# Altium PCB HYDRA_V2.2_NAV.PcbDoc (part 2 of 2)
Units mm, origin at the board's own origin, x right, y up, seen from the top; angles counter-clockwise.
Board outline 50 x 45 mm, 4 copper layers (Top Layer, PWR, GND, Bottom Layer), stack 0.603 mm thick; 118 components, 80 nets, 457 pads, 127 vias.
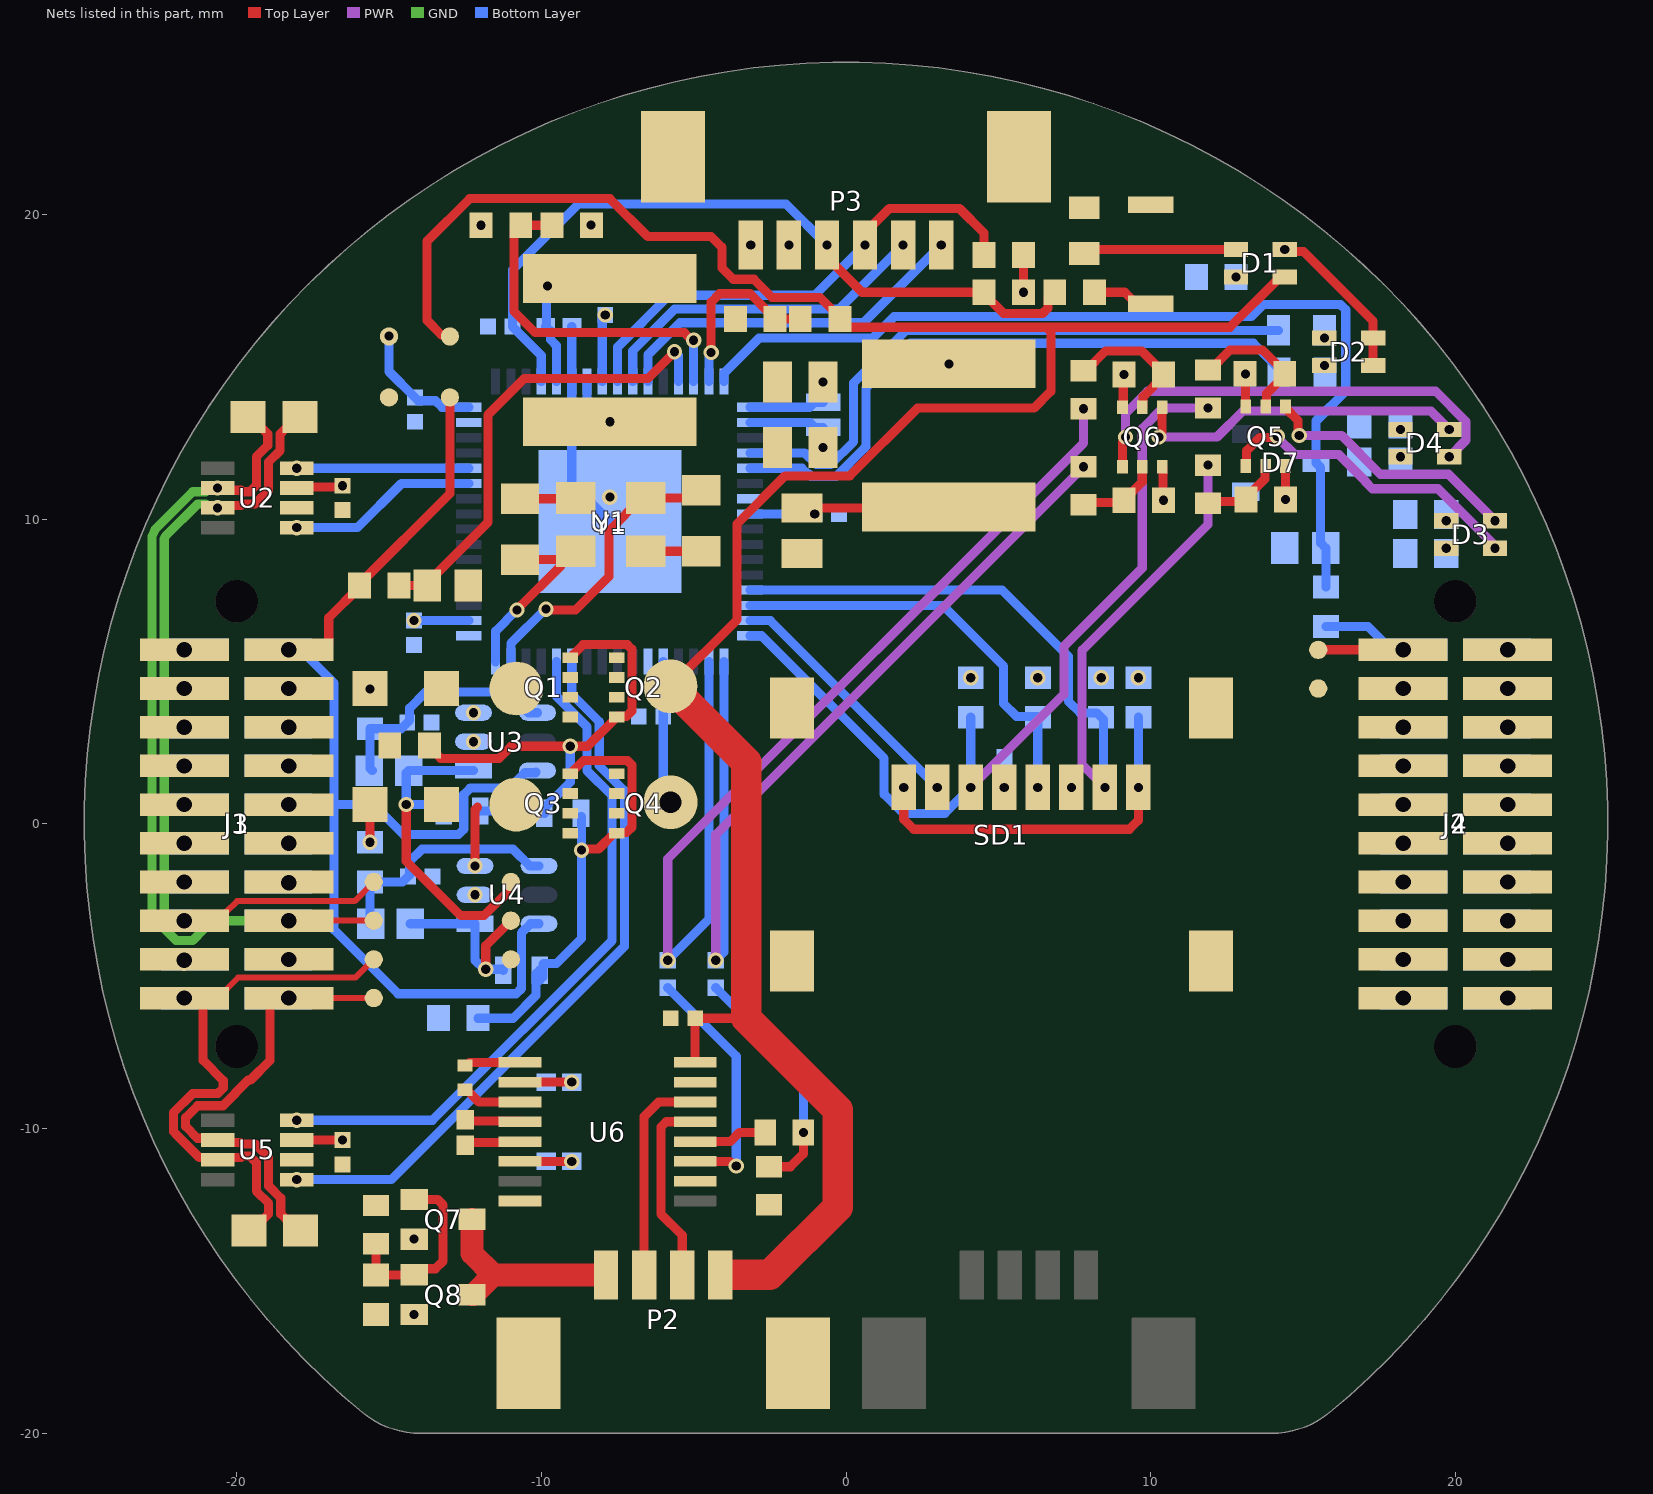
[diagram p4: the nets of this part, all layers, seen from the top]

## Part data (continued)
R27 R30 R33 R36 R38 R40: library part CMP-2000-00180-1, Manufacturer=Panasonic, Part Number=ERJ-3EKF1001V
R29 R31 R35 R37: library part CMP-2000-00572-1, Manufacturer=Panasonic, Part Number=ERJ3EKF56R0V
R39: library part CMP-2000-00294-1, Manufacturer=Panasonic, Part Number=ERJ3EKF1801V
R46 R47: library part CMP-009-00206-2, "READ THE NAME"
SD1: library part CMP-2000-05245-1, "MicroSD Card Connector, Hinge Type, -40 to 85 degC, 8-Pin SMD, RoHS, Tape and Reel", Current Rating=500mA, Manufacturer=Molex, Voltage Rating=100VDC, Brand=Molex, Card Type=microSD, Contact Material=CopperAlloy, Datasheet URL=http://www.molex.com/pdm_docs/sd/472192001_sd.pdf, Datasheet Version="Rev. F, 06/2009", Factory Pack Quantity=2400, Housing Material=Thermoplastic, Insertion - Extraction Style=Hinged, Manufacturer URL=http://www.molex.com/, Mounting Style=SMD/SMT, Number of Contacts=8, Packaging=Reel, Pitch=1.09mm, Product=CardConnectors, Product Category=MemoryCardConnectors, RoHS=Details, Series=47219, Termination Style=SMD
SW1: library part CMP-10040-000029-1, "SWITCH TACTILE SPST-NO 0.02A 15V", Current Rating=5A, Flammability Rating="UL94 V-0", Insulation Color=Black, Max Operating Temperature=85°C, Min Operating Temperature=-40°C, Operating Force=240gf, Actuator Type=Standard, Connector Type=USB, Contact Plating=Gold, Gender=Receptacle, Illumination Type=Non-Illuminated, Mechanical Life=500000Cycles, Mount="Surface Mount", Number of Contacts=24, Number of Ports=1, Packaging="Tape and Reel", Switch Function=Off-Mom, Switch Travel=0.13mm, Termination=Solder, Throw Configuration=SPST
TP1 TP2 TP3 TP4 TP5 TP6 TP7 TP8 TP9 TP10 TP12 TP13 TP14: library part CMP-00028-00002-2, "0.6mm round", Pins=1
U1: library part CMP-016-00010-6, "Rudimentary symbol and footprint for the SAM E51 microcontroller"
U2 U5: library part CMP-04872-000178-1, "IC TRANSCEIVER 1/1 SOT23-8", Case/Package=SOT-23-8, Max Operating Temperature=125°C, Min Operating Temperature=-40°C, Data Rate=1Mbps, Lead Free="Lead Free", Mount="Surface Mount", Packaging="Tape and Reel", RoHS Compliant=Yes
U3 U4: library part CMP-04896-000098-1, "40V, RAIL-TO-RAIL INPUT, PUSH-PU"
U6: library part CMP-05679-000039-1, "IC TXRX RS-232 LP 16-TSSOP", Manufacturer="Maxim Integrated", Max Supply Voltage=5.5V, Min Supply Voltage=3V, Nominal Supply Current=0.3mA, Package=U16-1, Temperature="-40°C to +85°C", Temperature Range High=+85°C, Temperature Range Low=-40°C, Automotive=No, Category=IC, ComponentLink2Description=Datasheet, ComponentLink2URL=https://datasheets.maximintegrated.com/en/ds/MAX3222-MAX3241.pdf, Data Rate=120kbits/s, Device Class L1="Integrated Circuits (ICs)", Device Class L2="Interface ICs", Device Class L3="RS-232 / RS-422 / RS-485 Interface ICs", Digikey Description="IC TXRX RS-232 LP 16-TSSOP", Footprint Url=https://pdfserv.maximintegrated.com/land_patterns/90-0117.PDF, Height=1.1mm, Interface=RS-232, Lead Free=Yes, Manufacturer Part Number=MAX3232EUE+T, Mouser Description="MAX3232 Series 235 kbps 5.5V Surface Mount RS-232 Transceiver - TSSOP-16", Number Of Receivers=2, Number Of Transmitters=2, Octopart=https://octopart.com/max3232eue%2Bt-maxim+integrated-39814427, RoHS=TRUE, Simplex Duplex="Full Duplex", Standoff Height=0.05mm
Y1: library part CMP-27762-011708-1, "Crystal 48MHz ±20ppm 18pF SMD-4 3.2mm x 2.5mm", Case/Package=CSMD, ESR (Equivalent Series Resistance)=35R, Frequency=48MHz, Frequency Stability=50ppm, Frequency Tolerance=20ppm, Load Capacitance=18pF, Max Operating Temperature=70°C, Min Operating Temperature=-20°C, Operating Frequency="48 MHz", Package Quantity=1000, Resistor Type=Ceramic, Depth=2.5mm, Height=0.031inch, Lead Free="Lead Free", Length=3.2mm, Mount="Surface Mount", Number of Pins=4, Packaging="Tape and Reel", Radiation Hardening=No, REACH SVHC="No SVHC", RoHS Compliant=Yes, Series=ABM8, Series Resistance=35R, Termination=SMD/SMT, Tolerance=20ppm, Width=0.098inch
Y2: library part CMP-40224-000006-1, "CRYSTAL 32.7680KHZ 12.5PF SMD", Frequency=32.768kHz, Load Capacitance=12.5pF, Manufacturer="ECS International", Package=ECX-1210, Temperature="-40°C to +85°C", Temperature Range High=+85°C, Temperature Range Low=-40°C, Tolerance=20ppm, Automotive=No, Category=Crys, ComponentLink2Description=Datasheet, ComponentLink2URL=https://ecsxtal.com/store/pdf/ECX-1210.pdf, Device Class L1="Passive Components", Device Class L2="Crystals / Oscillators", Device Class L3=Crystals, Digikey Description="CRYSTAL 32.7680KHZ 12.5PF SMD", Esr=90kΩ, Height=0.5mm, Lead Free=Yes, Manufacturer Part Number=ECS-.327-12.5-1210-TR, Octopart=https://octopart.com/ecs-.327-12.5-1210-tr-ecs+international-81221340, RoHS=TRUE, Series=ECX-1210

## Via types
v1: diameter 0.5, hole 0.3, Top Layer to Bottom Layer, 86 vias
v2: diameter 0.7, hole 0.5, Top Layer to Bottom Layer, 40 vias
v3: diameter 1.27, hole 0.711, Top Layer to Bottom Layer, 1 vias

## Nets (pads, with @x,y where several pads share a name; then routed paths per layer and width w, separated by ;. In a path a pad name is that pad's centre, name@x,y a point inside that pad or via, vN(x,y) a via of type N, cw(c..) or ccw(c..) an arc to the next point about the centre after c; other vN are vias at no path point)
3V3: C1.1 C5.1 C7.1 C8.1 C12.2 C17.2 C23.1 D1.3 D2.2 D2.3 L1.1 P3.5 Q4.5-6-7-8 Q5.3 Q5.6 Q6.3 Q6.6 R1.2 R6.1 R19.2 R26.2 R28.2 R32.2 R34.2 R42.2 R43.2 R44.2 R45.2 SD1.4 TP3.1 U1.21 U1.34 U1.48 U1.56 U2.3 U5.3 | length 27.1
  Top Layer w0.3: U5.3@-18.025,-10.375 v1(-16.525,-10.375) ; U2.3@-18.025,11.025 -17.988,11.062 -16.562,11.062 v1(-16.525,11.1) ; v1(5.825,17.45) R1.2@5.825,18.675 ; Q6.6@9.075,13.675 9.1,13.7 R34.2@9.1,14.825 ; Q6.3@10.375,11.725 10.4,11.7 10.4,10.625 R32.2@10.45,10.575 ; R28.2@13.1,14.775 v1(13.112,14.763) 13.112,13.712 Q5.6@13.125,13.7 ; v1(14.4,18.85) 14.55,18.85 14.618,18.782 15.018,18.782 17.3,16.5 D2.2@17.3,15.05 ; v1(14.425,10.65) Q5.3@14.425,11.75
  Bottom Layer w0.3: v1(-15,16.013) -15,14.85 C5.1@-14.15,14 -14.04,13.89 -13.472,13.89 -13.257,13.675 U1.48@-12.382,13.675 ; v1(-14.175,6.675) U1.34@-12.382,6.675 ; U1.56@-8,14.525 -8,16.6 v1(-7.9,16.7) ; U1.21@-6,5.325 C8.1@-6,3.525 -6,1.373 -5.943,1.316 -5.943,0.898 v3(-5.757,0.713)
  other v1: 5.195,1.2 4.095,4.8 6.295,4.8 8.375,4.8 9.595,4.8 10.425,10.625 9.125,14.75 3.375,15.1 -1.875,19 -11.975,19.65
3V3_CUTOFF_MOSFET: D6.C D8.A Q3.4 Q4.4 R13.2 | length 16.1
  Top Layer w0.3: Q3.4@-9.05,1.647 -8.975,1.647 -8.95,1.672 -8.95,1.747 -8.621,2.077 -7.171,2.077 -7.023,1.929 -7.023,-0.099 -7.199,-0.275 -7.5,-0.275 Q4.4@-7.525,-0.3 -7.6,-0.3 -8.122,-0.822 -8.646,-0.822 v1(-8.684,-0.86)
  Bottom Layer w0.3: R13.2@-12.075,-6.375 -10.925,-6.375 -10.175,-5.625 -10.175,-5.1 -10.102,-5.028 -9.948,-5.028 -9.948,-4.607 -9.925,-4.584 -9.504,-4.584 -8.684,-3.764 v1(-8.684,-0.86) -8.684,0.234 D8.A@-8.7,0.25 ; D6.C@-10.175,-5.13 -10.175,-4.925 D6.C@-10.05,-4.8 D6.C@-10.05,-5.13
3V3_OC_TP: D6.A R17.1 TP10.1 U4.1 | length 6.3
  Top Layer w0.3: v1(-11.822,-4.767) -11.822,-3.997 TP10.1@-11,-3.175
  Bottom Layer w0.3: R17.1@-14.3,-3.275 U4.1@-12.175,-3.275 -12.175,-4.475 v1@-11.875,-4.775 ; v1(-11.822,-4.767) -11.283,-4.767 D6.A@-11.25,-4.8
3V3_POST_SHUNT: Q3.5-6-7-8 R15.2 U4.3 | length 2
  Top Layer w0.3: v1(-12.175,-1.375) -12.175,0.472 -12.1,0.547
3V3_PRE_SHUNT: J1.09 J1.10 J1.11 J1.12 J3.09 J3.10 J3.11 J3.12 R15.1 R16.2 | length 1.2
  Top Layer w0.3: v1(-15.625,-0.6) R15.1@-15.625,0.635
  other v2: -21.715,-0.635 -18.285,-0.633 -21.715,0.635 -18.285,0.635
3V3_SENSE: R19.1 R23.2 U1.62 | length 11.6
  Top Layer w0.3: R23.2@-9.65,19.65 R19.1@-10.675,19.65 -10.9,19.425 -10.9,19.199 -10.9,16.825 -10.2,16.125 -5.304,16.125 -5.054,15.875 v1(-5,15.875)
  Bottom Layer w0.3: U1.62@-5,14.525 v1(-5,15.875)
5V: C18.1 D1.2 P2.4 Q2.5-6-7-8 R18.2 TP1.1 U6.16 | length 82.7
  Top Layer w0.3: TP1.1@-13,16 -13.057,16.057 -13.282,16.057 -13.75,16.525 -13.75,19.125 -12.35,20.525 -7.75,20.525 -6.5,19.275 -4.425,19.275 -4.075,18.925 -4.075,18.25 -3.7,17.875 -3.025,17.875 -2.425,17.275 -0.85,17.275 -0.2,16.625 -0.2,16.525 0.025,16.3 6.575,16.3 ; Q2.5-6-7-8@-5.76,4.52 -3.575,6.705 -3.575,9.85 -2.002,11.423 0.123,11.423 2.35,13.65 6.175,13.65 6.725,14.2 6.725,16.15 6.575,16.3 ; U6.16@-4.95,-7.825 C18.1@-4.95,-6.375 -3.725,-6.375 -3.5,-6.15 ; D1.2@14.4,17.95 14.25,17.95 12.6,16.3 6.575,16.3
  Top Layer w1: Q2.5-6-7-8@-5.76,4.52 -3.275,2.035 -3.275,-6.375 -0.275,-9.375 -0.275,-12.575 -2.5,-14.8 P2.4@-4.025,-14.8
5V_CUTOFF_MOSFET: D5.C D8.C Q1.4 Q2.4 R9.2 | length 16.4
  Top Layer w0.3: R9.2@-13.675,2.575 -13.675,2.525 -13.3,2.15 -11.386,2.15 -10.986,2.55 v1(-9.05,2.55) -8.485,2.55 -7.627,3.407 -7.627,3.482 -7.602,3.507 Q2.4@-7.527,3.507 -7.502,3.532 -7.202,3.532 -7.026,3.708 -7.026,5.737 -7.173,5.884 -8.626,5.884 -8.952,5.557 -8.952,5.482 -8.977,5.457 Q1.4@-9.052,5.457
  Bottom Layer w0.3: D5.C@-12,0.425 D8.C@-10.025,0.425 ; D8.C@-9.9,0.347 -9.9,0.522 -9.05,1.372 v1(-9.05,2.55)
5V_OC_TP: D5.A R14.1 TP9.1 U3.1 | length 11
  Top Layer w0.3: v1(-14.432,0.643) -14.432,-1.218 -12.64,-3.01 -11.885,-3.01 -11.057,-2.182 -11.057,-1.962 TP9.1@-11,-1.905
  Bottom Layer w0.3: v1(-14.432,0.643) -14.432,1.668 R14.1@-14.35,1.75 ; v1@-14.424,0.635 D5.A@-13.2,0.635 ; R14.1@-14.25,1.75 U3.1@-12.225,1.75
5V_POST_SHUNT: Q1.5-6-7-8 R11.2 U3.3
  other v1: -12.225,3.65
5V_PRE_SHUNT: J1.03 J1.04 J1.05 J1.06 J3.03 J3.04 J3.05 J3.06 R11.1 R12.2
  other v1: -15.625,4.425
  other v2: -21.715,3.175 -18.285,3.175 -21.715,4.445 -18.285,4.445
5V_SENSE: R18.1 R22.2 U1.63 | length 6
  Top Layer w0.3: v1(-4.425,15.475) -4.425,17.125 -4.15,17.4 -3.149,17.4 -2.599,16.85 -2.55,16.85 -2.325,16.625 R22.2@-2.325,16.575 R18.1@-1.5,16.575
  Bottom Layer w0.3: U1.63@-4.5,14.525 -4.5,15.346 -4.425,15.421 v1(-4.425,15.475)
CAN0_R_N: J1.16 J3.16 R2.1 TP7.1 U2.6 | length 27
  Top Layer w0.2: v2(-18.285,-3.175) TP7.1@-15.5,-3.175
  Top Layer w0.3: v1(-20.625,11.025) -20.55,10.95 -19.859,10.95 -19.81,10.901 -19.562,10.901 -19.349,11.113 -19.349,12.049 -18.976,12.423 -18.976,12.799 -19.152,12.975 -19.25,12.975 R2.1@-19.625,13.35
  GND w0.3: v1(-20.625,11.025) -20.663,10.987 -20.933,10.987 -21.018,10.901 -21.441,10.901 -22.676,9.666 -22.777,9.431 -22.777,-3.033 -21.984,-3.825 -21.446,-3.825 -21.065,-3.444 -21.065,-3.351 -20.889,-3.175 v2@-18.635,-3.175
CAN0_R_P: J1.15 J3.15 R2.2 TP5.1 U2.7 | length 26.8
  Top Layer w0.2: v2(-21.715,-3.175) -21.445,-2.905 -20.355,-2.905 -19.983,-2.533 -16.128,-2.533 TP5.1@-15.5,-1.905
  Top Layer w0.3: v1(-20.625,10.375) -20.55,10.45 -19.859,10.45 -19.81,10.499 -19.395,10.499 -18.948,10.947 -18.948,11.883 -18.574,12.257 -18.574,12.799 -18.398,12.975 -18.3,12.975 R2.2@-17.925,13.35
  GND w0.3: v2(-21.715,-3.175) -21.792,-3.098 -22.143,-3.098 -22.375,-2.866 -22.375,9.349 -22.337,9.437 -21.275,10.499 -21.018,10.499 -20.933,10.413 -20.663,10.413 v1(-20.625,10.375)
CAN0_RX: U1.44 U2.4 | length 5.6
  Bottom Layer w0.3: v1(-18.025,11.675) -15.295,11.675 U1.44@-12.382,11.675
CAN0_TX: U1.43 U2.1 | length 6.2
  Bottom Layer w0.3: v1(-18.025,9.725) -16.039,9.725 -14.589,11.175 U1.43@-12.382,11.175
CAN1_R_N: J1.20 J3.20 R7.1 TP8.1 U5.6 | length 15.2
  Top Layer w0.2: v2(-18.285,-5.715) TP8.1@-15.5,-5.715
  Top Layer w0.3: v2(-18.285,-5.715) -18.68,-5.715 -18.9,-5.935 -18.9,-7.761 -19.544,-8.405 -19.623,-8.405 -20.035,-8.817 -20.035,-8.836 -20.447,-9.248 -21.279,-9.248 -21.675,-9.644 -21.675,-9.925 -21.287,-10.313 -20.687,-10.313 U5.6@-20.625,-10.375 -20.55,-10.45 -19.859,-10.45 -19.81,-10.499 -19.395,-10.499 -18.948,-10.947 -18.948,-11.883 -18.549,-12.282 -18.549,-12.799 -18.373,-12.975 -18.275,-12.975 R7.1@-17.9,-13.35
CAN1_R_P: J1.19 J3.19 R7.2 TP6.1 U5.7 | length 18.6
  Top Layer w0.2: v2(-21.715,-5.715) -21.32,-5.715 -20.625,-5.715 -19.955,-5.045 -16.1,-5.045 TP6.1@-15.5,-4.445
  Top Layer w0.3: J3.19@-21.32,-5.715 -21.1,-5.935 -21.1,-7.761 -20.438,-8.423 -20.438,-8.671 -20.614,-8.847 -21.446,-8.847 -22.077,-9.478 -22.077,-10.091 -21.959,-10.209 -21.218,-10.95 -20.7,-10.95 U5.7@-20.625,-11.025 -20.55,-10.95 -19.859,-10.95 -19.81,-10.901 -19.562,-10.901 -19.349,-11.113 -19.349,-12.049 -18.951,-12.448 -18.951,-12.799 -19.127,-12.975 -19.225,-12.975 R7.2@-19.6,-13.35
CAN1_RX: U1.28 U5.4 | length 22.7
  Bottom Layer w0.3: v1(-18.025,-9.725) -13.575,-9.725 -7.675,-3.825 -7.675,0.925 -8.5,1.75 -8.5,3.186 -9.5,4.186 U1.28@-9.5,5.325
CAN1_TX: U1.27 U5.1 | length 24
  Bottom Layer w0.3: v1(-18.025,-11.675) -14.925,-11.675 -7.273,-4.023 -7.273,1.091 -8.098,1.916 -8.098,3.352 -9,4.254 U1.27@-9,5.325
G_LED: R3.2 U1.4 | length 20.5
  Bottom Layer w0.3: U1.4@-3.15,12.175 -1.353,12.175 -0.978,11.8 -0.5,11.8 0.25,12.55 0.25,14.475 1.975,16.2 R3.2@14.2,16.2
GND: C1.2 C2.1 C3.2 C4.2 C5.2 C6.2 C7.2 C8.2 C9.1 C10.1 C11.2 C12.1 C13.2 C14.2 C15.2 C16.2 C17.1 C18.2 C20.2 C21.2 C23.2 D7.1 J1.07 J1.08 J1.13 J1.14 J1.17 J1.18 J2.09 J2.10 J2.11 J2.12 J2.13 J2.14 J2.15 J2.16 J2.17 J2.18 J2.19 J2.20 J3.07 J3.08 J3.13 J3.14 J3.17 J3.18 J4.09 J4.10 J4.11 J4.12 J4.13 J4.14 J4.15 J4.16 J4.17 J4.18 J4.19 J4.20 P2.MP1 P2.MP2 P3.6 P3.S1 P3.S2 Q7.2 Q8.2 R8.2 R9.1 R10.2 R13.1 R22.1 R23.1 R24.1 R25.1 R29.1 R31.1 R35.1 R37.1 R39.1 R41.1 SD1.6 SD1.9 SD1.10 SD1.11 SD1.12 SW1.2 TP4.1 TP13.1 TP14.1 U1.7 U1.22 U1.33 U1.47 U1.54 U1.65 U2.2 U3.2 U4.2 U5.2 U6.8 U6.10 U6.15 Y1.2 Y1.4 | length 10.6
  Top Layer w0.3: C10.1@-10.7,10.675 -8.9,10.675 Y1.4@-8.875,10.7 ; Y1.2@-6.575,8.95 C9.1@-4.75,8.95
  Bottom Layer w0.3: C2.1@-8.996,16.325 -9,16.321 U1.54@-9,14.525 -9,11.175 U1.65@-7.75,9.925
  other v1: -14.175,-16.1 -14.175,-13.625 -12.175,-2.325 7.395,1.2 -12.225,2.7 -7.75,10.725 -3.125,19 -8.364,19.652
  other v2: 18.285,-5.715 21.715,-5.715 -21.715,-4.475 -18.285,-4.445 18.285,-4.445 21.715,-4.445 18.285,-3.175 21.715,-3.175 -18.285,-1.933 -21.715,-1.905 18.285,-1.905 21.715,-1.905 18.285,-0.635 21.715,-0.635 18.285,0.635 21.715,0.635 -21.715,1.905 -18.285,1.905
NetC2_2: C2.2 C3.1 L2.2 U1.53 | length 3.1
  Bottom Layer w0.3: C2.2@-9.854,16.325 -9.827,16.352 -9.827,17.623 v1(-9.8,17.65) ; C2.2@-9.696,16.189 -9.696,15.896 -9.5,15.7 U1.53@-9.5,14.525
NetC15_1: C15.1 R12.1 R14.2 U3.4 | length 7.9
  Bottom Layer w0.3: R14.2@-15.55,1.75 -15.625,1.825 R12.1@-15.625,3.125 -14.6,3.125 -14.322,3.403 -14.322,3.803 -13.8,4.325 -11.1,4.325 -10.425,3.65 U3.4@-10.125,3.65
NetC16_1: C16.1 R16.1 R17.2 U4.4 | length 7.9
  Bottom Layer w0.3: R17.2@-15.6,-3.275 -15.625,-3.25 R16.1@-15.625,-1.9 -14.55,-1.9 -14.318,-1.668 -14.318,-1.226 -13.917,-0.825 -10.928,-0.825 -10.378,-1.375 U4.4@-10.075,-1.375
NetC19_1: C19.1 U6.3 | length 2
  Top Layer w0.3: C19.1@-12.5,-8.725 -12.45,-8.725 -12.05,-9.125 U6.3@-10.7,-9.125
NetC19_2: C19.2 U6.1 | length 1.8
  Top Layer w0.3: C19.2@-12.5,-7.925 -12.45,-7.925 -12.35,-7.825 U6.1@-10.7,-7.825
NetC20_1: C20.1 U6.2 | length 1.7
  Top Layer w0.3: U6.2@-10.7,-8.475 v1(-9,-8.475)
NetC21_1: C21.1 U6.6 | length 1.7
  Top Layer w0.3: U6.6@-10.7,-11.075 v1(-9,-11.075)
NetC22_1: C22.1 U6.5 | length 1.8
  Top Layer w0.3: C22.1@-12.5,-10.542 -12.408,-10.45 -10.725,-10.45 U6.5@-10.7,-10.425
NetC22_2: C22.2 U6.4 | length 1.8
  Top Layer w0.3: C22.2@-12.5,-9.708 -12.458,-9.75 -10.725,-9.75 U6.4@-10.7,-9.775
NetD1_1: D1.1 R8.1
  other v1: 12.8,17.95
NetD1_4: D1.4 R10.1 | length 5.1
  Top Layer w0.3: R10.1@7.825,18.65 8.025,18.85 D1.4@12.8,18.85
NetD2_1: D2.1 R5.1
  other v1: 15.7,15.05
NetD2_4: D2.4 R3.1
  other v1: 15.7,15.95
NetD3_1: D3.1 R29.2
  other v1: 19.7,9.05
NetD3_2: D3.2 Q5.1 | length 10.5
  Top Layer w0.3: Q5.1@13.125,11.75 13.15,11.775 13.15,12.25 13.587,12.687 14.112,12.687 v1(14.15,12.725)
  PWR w0.3: v1(14.15,12.725) 14.15,12.697 14.722,12.125 16.175,12.125 17.05,11.25 17.05,11.225 17.275,11 19.428,11 21.2,9.228 21.2,9.204 21.3,9.104 v1(21.3,9.05)
NetD3_3: D3.3 Q5.4 | length 8.7
  Top Layer w0.3: Q5.4@14.425,13.7 14.425,13.65 14.837,13.238 14.837,12.788 v1(14.875,12.75)
  PWR w0.3: v1(14.875,12.75) 16.265,12.75 17.54,11.475 19.775,11.475 v1(21.3,9.95)
NetD3_4: D3.4 R31.2
  other v1: 19.7,9.95
NetD4_1: D4.1 R35.2
  other v1: 18.2,12.05
NetD4_2: D4.2 Q6.1 | length 15.1
  Top Layer w0.3: Q6.1@9.075,11.725 9.075,12.546 9.175,12.646 v1(9.175,12.7)
  PWR w0.3: v1(9.175,12.7) 9.175,13.475 9.9,14.2 19.35,14.2 20.35,13.2 20.35,12.6 v1(19.8,12.05)
NetD4_3: D4.3 Q6.4 | length 11.1
  Top Layer w0.3: v1(10.275,12.7) 10.275,12.754 10.375,12.854 Q6.4@10.375,13.675
  PWR w0.3: v1(10.275,12.7) 12.175,12.7 13.025,13.55 19.2,13.55 v1(19.8,12.95)
NetD4_4: D4.4 R37.2
  other v1: 18.2,12.95
NetL2_1: L2.1 U1.55 | length 1.6
  Bottom Layer w0.3: U1.55@-8.5,14.525 -8.5,13.95 v1(-7.75,13.2)
NetQ1_1: Q1.1 Q1.2 Q1.3 Q2.1 Q2.2 Q2.3
NetQ3_1: Q3.1 Q3.2 Q3.3 Q4.1 Q4.2 Q4.3
NetQ5_2: Q5.2 R26.1 R27.2 | length 2.7
  Top Layer w0.3: R27.2@11.875,10.525 11.937,10.587 13.062,10.587 R26.1@13.125,10.65 13.125,10.7 13.75,11.325 13.75,11.725 Q5.2@13.775,11.75
NetQ5_5: Q5.5 R28.1 R30.2 | length 4.5
  Top Layer w0.3: R30.2@11.875,14.9 11.95,14.9 12.6,15.55 13.675,15.55 14.4,14.825 R28.1@14.4,14.775 14.4,14.725 13.8,14.125 13.8,13.725 Q5.5@13.775,13.7
NetQ6_2: Q6.2 R32.1 R33.2 | length 2.8
  Top Layer w0.3: R33.2@7.8,10.475 7.875,10.55 R32.1@9.075,10.55 ; Q6.2@9.725,11.75 Q6.2@9.725,11.725 9.725,11.225 9.4,10.9 9.35,10.9 R32.1@9.125,10.675 ; R32.1@9.125,10.675 R32.1@9.125,10.625 R32.1@9.125,10.675
NetQ6_5: Q6.5 R34.1 R36.2 | length 4.6
  Top Layer w0.3: R36.2@7.8,14.875 7.875,14.875 8.525,15.525 9.7,15.525 10.425,14.8 R34.1@10.425,14.75 ; Q6.5@9.725,13.675 9.75,13.7 9.75,14.025 R34.1@10.45,14.725
NetQ7_1: Q7.1 Q8.1 R40.2 R41.2 | length 6.3
  Top Layer w0.3: R40.2@-15.425,-13.775 R41.2@-15.425,-14.8 Q8.1@-14.175,-14.8 -13.975,-14.6 -13.475,-14.6 -13.225,-14.35 -13.225,-12.501 -13.401,-12.325 Q7.1@-14.175,-12.325
NetR4_2: R4.2 SW1.1 | length 2
  Top Layer w0.3: R4.2@8.15,17.45 9.15,17.45 9.525,17.075 SW1.1@10,17.075
NetR38_1: R38.1 R39.2 R47.2 | length 7.9
  Top Layer w0.3: R39.2@-2.525,-11.25 -1.825,-11.25 -1.4,-10.825 v1(-1.4,-10.125)
  Bottom Layer w0.3: R47.2@-4.275,-5.375 -1.4,-8.25 v1(-1.4,-10.125)
PYRO_PWR: J2.01 J2.02 J2.03 J2.04 J2.05 J2.06 J2.07 J2.08 J4.01 J4.02 J4.03 J4.04 J4.05 J4.06 J4.07 J4.08 R21.2 TP12.1 | length 5.6
  Top Layer w0.3: TP12.1@15.5,5.715 v2(18.285,5.715)
  Bottom Layer w0.3: R21.2@15.75,6.475 17.135,6.475 17.675,5.935 17.895,5.715 v2(18.285,5.715)
  other v2: 18.285,1.905 21.715,1.905 18.285,3.175 21.715,3.175 18.285,4.445 21.715,4.445 21.715,5.715
PYRO_PWR_SENSE: D7.3 R21.1 R25.2 U1.64 | length 31.3
  Bottom Layer w0.3: U1.64@-4,14.525 -4,14.8 -2.85,15.95 0.875,15.95 1.575,16.65 13.3,16.65 13.7,17.05 16.224,17.05 16.4,16.874 16.4,14.2 15.425,13.225 D7.3@15.425,11.85 15.575,11.7 15.575,9.225 R25.2@15.75,9.05 R21.1@15.75,7.775
R_LED: R5.2 U1.5 | length 20.9
  Bottom Layer w0.3: U1.5@-3.15,11.675 -1.45,11.675 -1.275,11.5 -1.246,11.5 -1.144,11.398 -0.327,11.398 0.6,12.325 0.6,12.332 0.652,12.384 0.652,14.309 2.118,15.775 13.371,15.775 14.216,14.93 R5.2@14.216,14.805
RESETN: C11.1 P3.4 R4.1 R6.2 U1.52 | length 24.9
  Top Layer w0.3: v1(-0.625,19) -0.625,18.6 0.525,17.45 4.475,17.45 5.173,16.752 6.449,16.752 6.625,16.927 6.625,17.225 R4.1@6.85,17.45
  Bottom Layer w0.3: U1.52@-10,14.525 -10,15.375 C11.1@-10.95,16.325 -10.95,18.175 -8.775,20.35 -1.975,20.35 v1(-0.625,19)
SBG_GND: P2.1 Q7.3 Q8.3 | length 6.8
  Top Layer w0.75: Q8.3@-12.275,-15.45 -12.225,-15.45 -11.575,-14.8 ; Q7.3@-12.275,-12.975 -12.275,-14.1 -11.575,-14.8 ; P2.1@-7.875,-14.8 -11.575,-14.8
SBG_PWR: R40.1
SBG_RS232_RX: P2.3 U6.13 | length 6.3
  Top Layer w0.3: P2.3@-5.375,-14.8 -5.375,-13.5 -6.075,-12.8 -6.075,-9.951 -5.899,-9.775 U6.13@-4.95,-9.775
SBG_RS232_TX: P2.2 U6.14 | length 7.1
  Top Layer w0.3: P2.2@-6.625,-14.8 -6.625,-9.6 -6.15,-9.125 U6.14@-4.95,-9.125
SBG_UART_RX: R38.2 U6.12 | length 2.4
  Top Layer w0.3: U6.12@-4.95,-10.425 -3.8,-10.425 -3.5,-10.125 R38.2@-2.65,-10.125
SBG_UART_TX: R46.2 U6.11 | length 8.2
  Top Layer w0.3: U6.11@-4.95,-11.075 -3.804,-11.075 -3.654,-11.225 v1(-3.6,-11.225)
  Bottom Layer w0.3: R46.2@-5.85,-5.375 -3.6,-7.625 v1(-3.6,-11.225)
SD_CLK: R42.1 SD1.5 U1.14 | length 14
  Bottom Layer w0.3: U1.14@-3.15,7.175 3.175,7.175 5.175,5.175 5.175,3.95 5.596,3.529 6.266,3.529 R42.1@6.295,3.5 v1(6.295,1.2)
SD_CMD: R30.1 R43.1 SD1.3 U1.16 | length 29.5
  PWR w0.3: v1(4.095,1.2) 7.15,4.255 7.15,5.825 9.725,8.4 9.725,12.975 10.4,13.65 v1(11.875,13.65)
  Bottom Layer w0.3: U1.16@-3.15,6.175 -2.775,6.175 1.25,2.15 1.25,0.975 1.88,0.345 3.24,0.345 v1(4.095,1.2) R43.1@4.095,3.5
SD_CS: SD1.2 U1.15 | length 8.4
  Bottom Layer w0.3: U1.15@-3.15,6.675 -2.48,6.675 v1(2.995,1.2)
SD_DAT0: R27.1 R44.1 SD1.7 U1.13 | length 29.1
  PWR w0.3: v1(8.495,1.2) 7.75,1.945 7.75,5.7 11.875,9.825 v1(11.875,11.775)
  Bottom Layer w0.3: U1.13@-3.15,7.675 5.125,7.675 7.3,5.5 7.3,4.025 7.682,3.643 8.232,3.643 8.457,3.418 8.457,1.238 v1(8.495,1.2)
SD_DAT_PULL_UP: R45.1 SD1.1 SD1.8 | length 12.4
  Top Layer w0.3: v1(1.895,1.2) 1.895,0.155 2.225,-0.175 8.514,-0.175 8.516,-0.174 9.302,-0.174 9.595,0.12 v1(9.595,1.2)
  Bottom Layer w0.3: v1(9.595,1.2) R45.1@9.595,3.5
SWCLK: P3.3 R1.1 U1.57 | length 16.3
  Top Layer w0.3: v1(0.625,19) 0.625,19.4 1.425,20.2 3.725,20.2 4.525,19.4 R1.1@4.525,18.675
  Bottom Layer w0.3: U1.57@-7.5,14.525 -7.5,15.65 -5.8,17.35 -1.025,17.35 v1(0.625,19)
SWDIO: P3.2 U1.58 | length 11.3
  Bottom Layer w0.3: U1.58@-7,14.525 -7,15.525 -5.625,16.9 -0.225,16.9 v1(1.875,19)
SWO: P3.1 U1.59 | length 12
  Bottom Layer w0.3: U1.59@-6.5,14.525 -6.5,15.399 -5.449,16.45 0.575,16.45 v1(3.125,19)
UART1_RX: R33.1 R47.1 U1.17 | length 31.1
  PWR w0.3: v1(-4.275,-4.475) -4.275,-0.35 v1(7.8,11.725)
  Bottom Layer w0.3: v1(-4.275,-4.475) -4,-4.2 U1.17@-4,5.325
UART1_TX: R36.1 R46.1 U1.18 | length 34.1
  PWR w0.3: v1(-5.85,-4.475) -5.85,-1.147 7.8,12.503 v1(7.8,13.625)
  Bottom Layer w0.3: v1(-5.85,-4.475) -4.5,-3.125 U1.18@-4.5,5.325
VCC: J1.01 J1.02 J3.01 J3.02 R20.2 TP2.1 U3.6 U4.6 | length 39.3
  Top Layer w0.3: v2(-18.285,5.715) -17.195,5.715 -16.975,5.935 -16.975,6.768 -15.968,7.775 R20.2@-15.968,7.825 -15.968,7.875 -13,10.843 TP2.1@-13,14
  Bottom Layer w0.3: v2(-18.285,5.715) -17.895,5.715 -16.8,4.62 -16.8,0.635 ; U3.6@-10.168,1.706 -10.194,1.68 -10.543,1.68 -11.048,1.175 -12.331,1.175 -12.545,0.961 -12.545,-0.174 -12.72,-0.35 -14.515,-0.35 -15.5,0.635 -16.8,0.635 ; U4.6@-10.075,-3.275 -10.35,-3.275 -10.65,-3.575 -10.65,-5.399 -10.826,-5.575 -14.7,-5.575 -16.8,-3.475 -16.8,0.635
  other v2: -21.715,5.715
VCC_SENSE: R20.1 R24.2 U1.61 | length 15.4
  Top Layer w0.3: R20.1@-14.668,7.825 R24.2@-13.75,7.825 -13.75,7.9 -11.75,9.9 -11.75,13.425 -10.55,14.625 -6.496,14.625 v1(-5.625,15.496)
  Bottom Layer w0.3: v1(-5.625,15.496) -5.5,15.371 U1.61@-5.5,14.525
VDD_ANA: C4.1 C6.1 L1.2 U1.8 | length 4.2
  Top Layer w0.3: C4.1@-1.475,10.375 L1.2@0.625,10.375
  Bottom Layer w0.3: U1.8@-3.15,10.175 v1(-1.025,10.175)
X_IN: C9.2 U1.31 Y1.3 | length 9.8
  Top Layer w0.3: v1(-9.85,7.05) -9.825,7.025 -8.875,7.025 -7.775,8.125 -7.775,9.625 -6.7,10.7 Y1.3@-6.575,10.7 -5,10.7 C9.2@-4.75,10.95
  Bottom Layer w0.3: U1.31@-11,5.325 -11,5.922 -9.872,7.05 v1(-9.85,7.05)
X_OUT: C10.2 U1.32 Y1.1 | length 5.8
  Top Layer w0.3: v1(-10.8,7.025) -9.375,8.45 -9.375,8.575 Y1.1@-9.275,8.675 ; C10.2@-10.7,8.675 Y1.1@-9.275,8.675 ; Y1.1@-9.187,8.762 Y1.1@-9.275,8.675
  Bottom Layer w0.3: U1.32@-11.5,5.325 -11.5,6.325 v1(-10.8,7.025)
XIN_32: C13.1 U1.1 Y2.1 | length 3.1
  Bottom Layer w0.3: U1.1@-3.15,13.675 -1.195,13.675 -1.032,13.838 Y2.1@-0.75,13.838 v1(-0.75,14.5)
XOUT_32: C14.1 U1.2 Y2.2 | length 3.1
  Bottom Layer w0.3: U1.2@-3.15,13.175 -1.195,13.175 -1.032,13.012 Y2.2@-0.75,13.012 v1(-0.75,12.35)
pads on no net: D7.2 J1. J2. J3. J4. P1.1 P1.2 P1.3 P1.4 P1.MP1 P1.MP2 U1.3 U1.6 U1.9 U1.10 U1.11 U1.12 U1.19 U1.20 U1.23 U1.24 U1.25 U1.26 U1.29 U1.30 U1.35 U1.36 U1.37 U1.38 U1.39 U1.40 U1.41 U1.42 U1.45 U1.46 U1.49 U1.50 U1.51 U1.60 U2.5 U2.8 U3.5 U4.5 U5.5 U5.8 U6.7 U6.9

## Polygon pours and split planes (outlines as drawn)
GND on Top Layer "GND_L01_P017" (solid, pour order 17): -15.806,-19.201 ccw(c-13.96,-17) -13.96,-19.873 13.96,-19.873 ccw(c13.96,-17) 15.806,-19.201 cw(c15.888,-19.298) 15.949,-19.186 ccw(c0,0) 24.95,0 ccw(c0,0) -15.949,-19.186 cw(c-15.888,-19.298)
3V3_PRE_SHUNT on Top Layer "3V3_PRE_SHUNT_L01_P000" (solid, pour order 0): -16.825,1.005 -16.2,1.21 -15.05,1.21 -15.05,0.075 -16.825,-1.005 -23.175,-1.005 -23.175,1.005
NetQ3_1 on Top Layer "NETQ3_1_L01_P007" (solid, pour order 7): -9.3,1.172 -9.3,-0.478 -8.8,-0.478 -7.775,0.172 -7.275,0.172 -7.275,1.822 -7.775,1.822 -8.8,1.172
3V3_POST_SHUNT on Top Layer "3V3_POST_SHUNT_L01_P003" (solid, pour order 3): -13.85,1.21 -12.1,1.847 -11.825,1.897 -9.82,1.897 -9.82,-0.553 -11.775,-0.553 -11.8,-0.553 -12.137,-0.503 -13.85,0.06
NetQ1_1 on Top Layer "NETQ1_1_L01_P004" (solid, pour order 4): -9.302,4.982 -9.302,3.332 -8.802,3.332 -7.777,3.982 -7.277,3.982 -7.277,5.632 -7.777,5.632 -8.802,4.982
5V_POST_SHUNT on Top Layer "5V_POST_SHUNT_L01_P002" (solid, pour order 2): -13.853,5.02 -12.102,5.657 -11.827,5.707 -9.822,5.707 -9.822,3.257 -11.777,3.257 -11.802,3.257 -12.14,3.307 -13.853,3.87
5V_PRE_SHUNT on Top Layer "5V_PRE_SHUNT_L01_P001" (solid, pour order 1): -23.175,4.815 -16.825,4.815 -16.202,5.02 -15.052,5.02 -15.052,3.87 -16.825,2.805 -23.175,2.805
3V3 on PWR "3V3_L02_P012" (solid, pour order 12): -15.806,-19.201 ccw(c-13.96,-17) -13.96,-19.873 13.96,-19.873 ccw(c13.96,-17) 15.806,-19.201 cw(c15.888,-19.298) 15.949,-19.186 ccw(c0,0) 24.95,0 ccw(c0,0) -15.949,-19.186 cw(c-15.888,-19.298)
PYRO_PWR on PWR "PYRO_PWR_L02_P011" (solid, pour order 11): 16.825,6.085 23.175,6.085 23.175,1.535 16.825,1.535
3V3_PRE_SHUNT on PWR "3V3_PRE_SHUNT_L02_P010" (solid, pour order 10): -23.175,1.005 -16.825,1.005 -16.825,-1.005 -23.175,-1.005
5V_PRE_SHUNT on PWR "5V_PRE_SHUNT_L02_P009" (solid, pour order 9): -23.175,4.815 -16.825,4.815 -16.825,2.805 -23.175,2.805
VCC on PWR "VCC_L02_P008" (solid, pour order 8): -23.175,6.085 -16.825,6.085 -16.825,5.345 -23.175,5.345
GND on GND "GND_L03_P015" (solid, pour order 15): -15.806,-19.201 ccw(c-13.96,-17) -13.96,-19.873 13.96,-19.873 ccw(c13.96,-17) 15.806,-19.201 cw(c15.888,-19.298) 15.949,-19.186 ccw(c0,0) 24.95,0 ccw(c0,0) -15.949,-19.186 cw(c-15.888,-19.298)
GND on Bottom Layer "GND_L04_P018" (solid, pour order 18): -15.806,-19.201 ccw(c-13.96,-17) -13.96,-19.873 13.96,-19.873 ccw(c13.96,-17) 15.806,-19.201 cw(c15.888,-19.298) 15.949,-19.186 ccw(c0,0) 24.95,0 ccw(c0,0) -15.949,-19.186 cw(c-15.888,-19.298)

## Silkscreen, mask and mechanical layers (free items; w line width, h text height)
Top Overlay:
  region: 980 vertices and 2 holes, not listed, extent 14.33,-15.265 19.53,-8.999
  text "DBG" at 7.15,23.149 h0.75 r270
  text "DBG" at -7.15,21.15 h0.75 r90
  text "RST" at 9.05,20.95 h0.75
  text "PWR" at 11.65,19.45 h0.75
  text "3V3" at -15.666,16.6 h0.5
  text "5V" at -13.417,16.6 h0.5
  text "MCU" at 15.15,16.55 h0.75
  text "GND" at -15.666,14.6 h0.5
  text "VCC" at -13.666,14.6 h0.5
  text "SBG" at 17.65,13.55 h0.75
  text "CAN_0" at -16.9,11.95 h0.75
  text "SD" at 19.4,10.55 h0.75
  text "SD CARD" at 6.85,6.925 h0.75
  text "PYRO" at 13.1,5.465 h0.5
  text "GND" at 13.35,4.195 h0.5
  text "C0_HI" at -14.858,-2.108 h0.5
  text "5V_OC" at -10.108,-2.113 h0.5
  text "C0_LO" at -14.942,-3.383 h0.5
  text "3V3_OC" at -10.358,-3.383 h0.5
  text "C1_HI" at -14.817,-4.653 h0.5
  text "GND" at -9.609,-4.695 h0.5
  text "C1_LO" at -14.9,-5.923 h0.5
  text "RS232" at -11.075,-6.75 h0.75
  text "CAN_1" at -16.9,-9.525 h0.75
  text "HYDRA_V2.1_NAV" at 0.15,-11.725 h0.75
  text "Designed with delusion" at 0.1,-12.733 h0.5
Bottom Overlay:
  text "MCU" at -0.98,15.05 h0.75
  text "OC PROT / LOGIC" at -3.876,-3.9 h0.75
Mechanical 1:
  lines w0.1: -15.888,-19.298 ccw(c-13.96,-17) -13.96,-20 13.96,-20 ccw(c13.96,-17) 15.888,-19.298 15.868,-19.318 ccw(c0,0) -15.868,-19.318
  lines w0.254: -15.888,-19.298 ccw(c-13.96,-17) -13.96,-20 13.96,-20 ccw(c13.96,-17) 15.888,-19.298